# Allegro board Chronos.brd (continued)
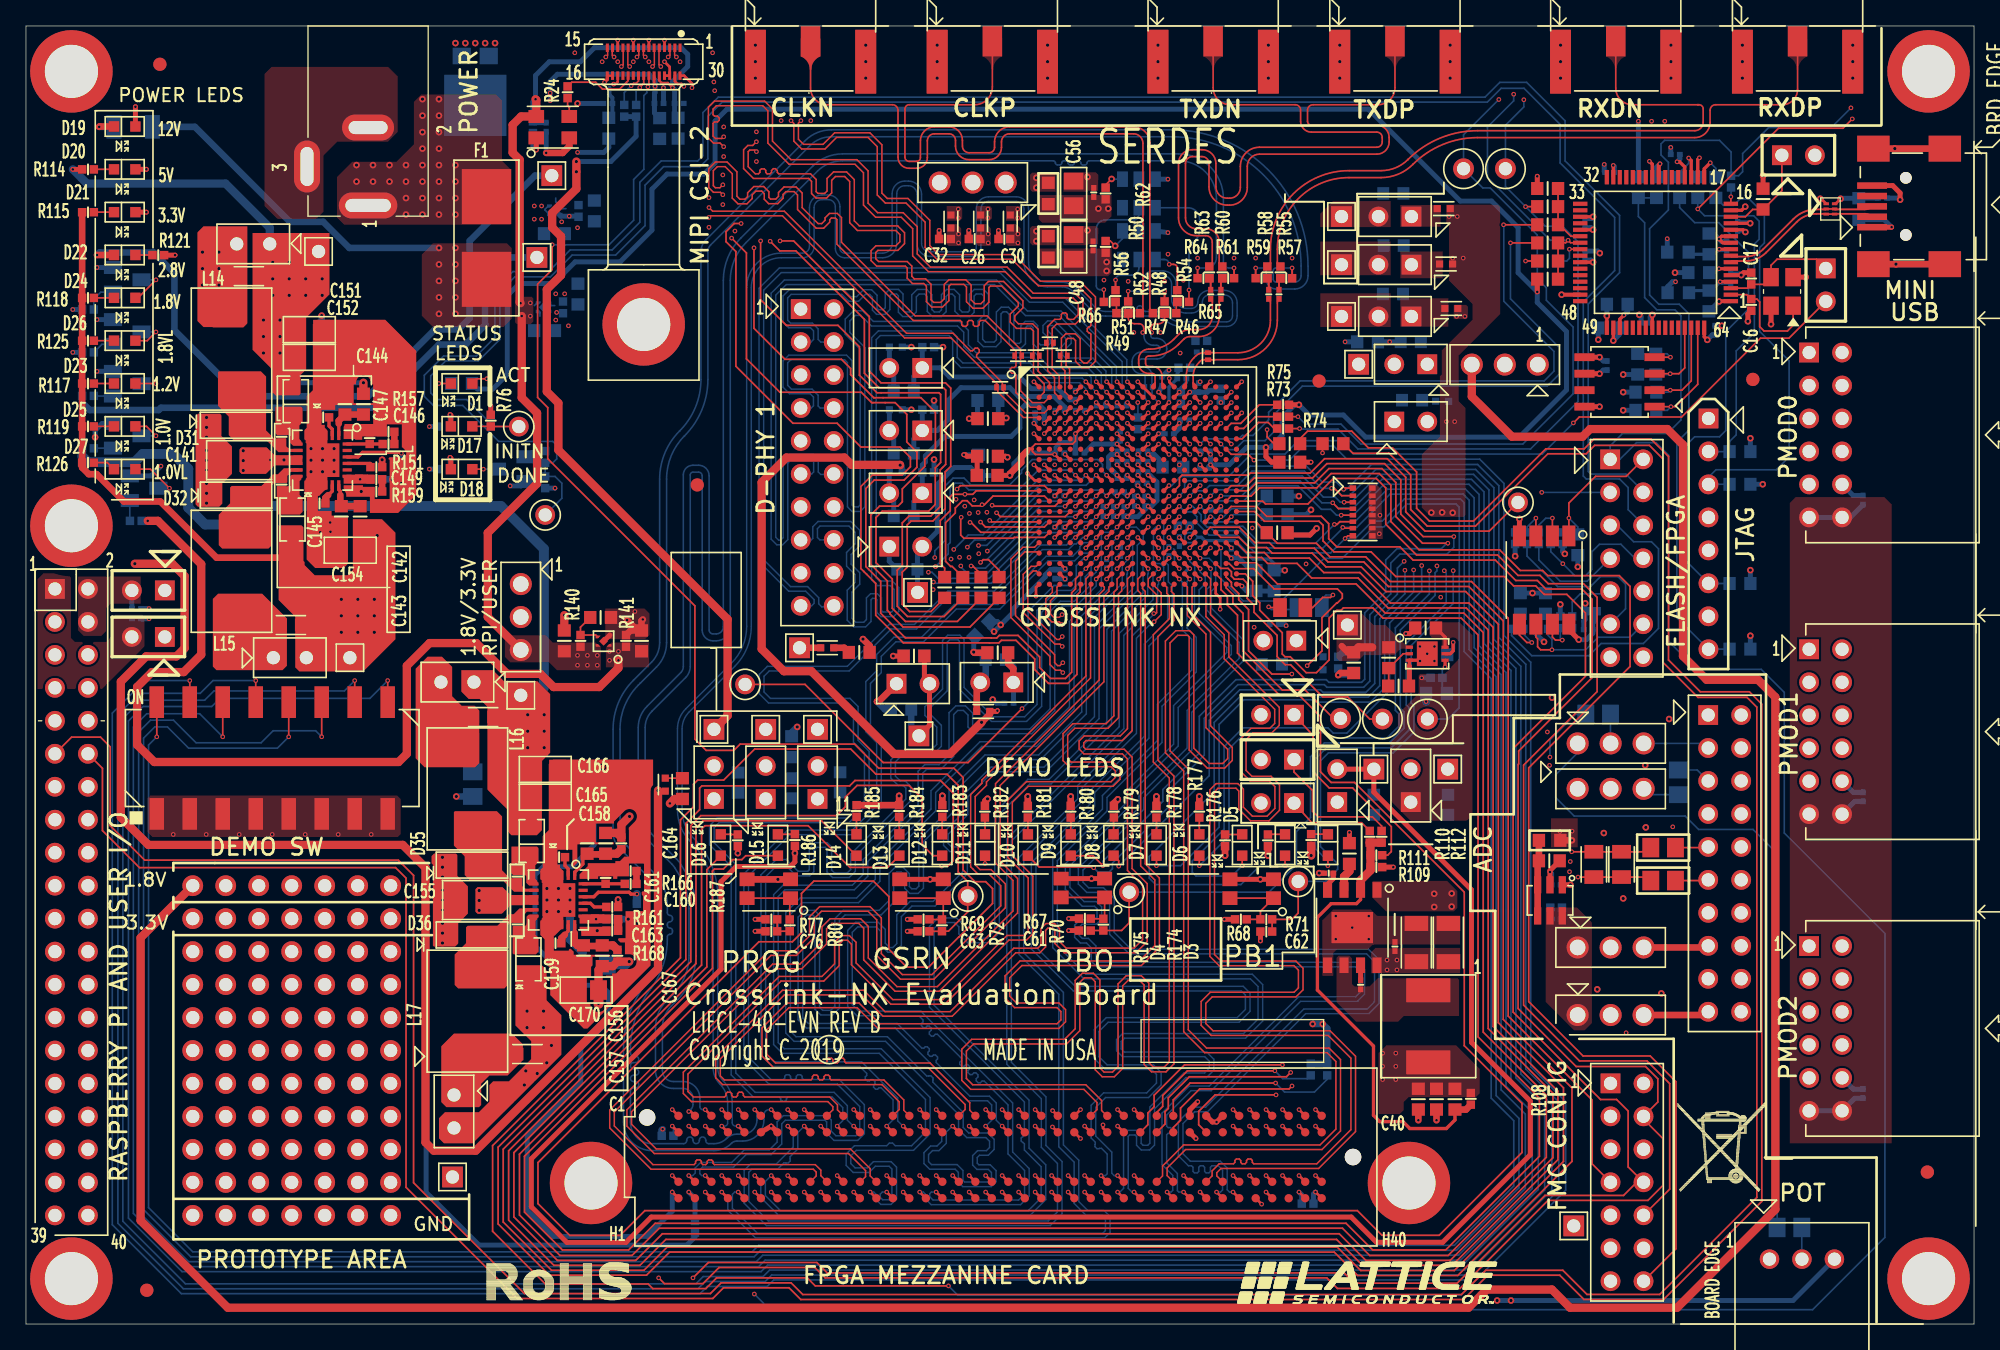
[diagram p0: board, top side]
## Routing (per net, layer and track width the routed paths; a pad name or vN(x,y) marks a point on that pad's centre or on a via; arc(x,y) is an arc through that point) (continued)
RXDP: length 0.9
  TOP w0.152: C50.1 96.48,80.31 arc(96.51,80.45) R55.1
RXDP_FMC: length 150.2
  TOP w0.152: R57.2 v1(97.49,81.36)
  TOP w0.203: U9.C6 v1(56.11,16.52)
  BOTTOM w0.122: v1(97.49,81.36) 96.24,81.36 arc(96.1,81.3) 96.04,81.15 96.04,80.49 arc(96.1,80.33) 96.26,80.27 97.7,80.27 arc(98.04,80.41) 98.18,80.75 98.18,81.5 arc(95.26,88.55) 88.22,91.47 62.01,91.47 arc(61.12,91.29) 60.37,90.79 52.72,83.14 arc(52.56,82.9) 52.51,82.62 52.51,72.77 arc(52.04,70.42) 50.71,68.42 arc(49.69,66.89) 49.33,65.09 49.33,52.49 arc(49.12,51.48) 48.55,50.61 47.3,49.37 47.15,49.21 arc(46.11,47.66) 45.74,45.82 45.74,37.89 arc(45.84,37.41) 46.11,37 46.27,36.84 48.33,34.78 arc(49.11,33.61) 49.39,32.23 49.39,31.68 arc(49.45,31.54) 49.59,31.48 arc(49.72,31.42) 49.78,31.29 49.78,31.19 arc(49.72,31.05) 49.59,30.99 arc(49.45,30.93) 49.39,30.79 49.39,30.7 arc(49.45,30.56) 49.59,30.5 arc(49.72,30.45) 49.78,30.31 49.78,30.22 arc(49.72,30.08) 49.58,30.02 49.57,30.02 arc(49.44,29.96) 49.39,29.84 49.39,29.65 arc(49.07,27.68) 48.16,25.89 48.03,25.72 arc(46.92,23.57) 46.54,21.19 46.54,20.87 arc(46.62,20.7) 46.79,20.63 46.94,20.63 arc(47.19,20.39) 46.94,20.14 46.79,20.14 arc(46.54,19.9) 46.79,19.65 46.94,19.65 arc(47.19,19.41) 46.94,19.17 46.79,19.17 arc(46.54,18.92) 46.79,18.68 46.94,18.68 arc(47.19,18.44) 46.94,18.19 46.79,18.19 arc(46.62,18.12) 46.54,17.95 46.54,15.56 arc(47.03,14.38) 48.22,13.89 50.63,13.89 arc(50.81,13.97) 50.88,14.14 50.88,14.17 arc(51.12,14.41) 51.36,14.17 51.36,14.14 arc(51.61,13.89) 51.85,14.14 51.85,14.17 arc(52.1,14.41) 52.34,14.17 52.34,14.14 arc(52.41,13.97) 52.58,13.89 52.97,13.89 arc(53.5,14) 53.95,14.3 arc(54.32,14.54) 54.75,14.63 55.2,14.63 arc(55.97,14.95) 56.29,15.72 56.29,16.1 arc(56.24,16.33) 56.12,16.52 v1(56.11,16.52)
RXDP_SMA: length 51.7
  TOP w0.122: R55.2 96.43,81.63 arc(96.37,81.71) 96.36,81.8 96.36,82.8 arc(97.97,86.7) 101.88,88.32 104.35,88.32 arc(105.67,88.58) 106.79,89.33 arc(109.08,90.86) 111.78,91.4 128.5,91.4 arc(129.33,91.75) 129.68,92.58 129.68,93.5 arc(129.8,93.81) 130.11,93.93 135.24,93.93 arc(136.07,94.28) 136.41,95.11 J11.1
RXDPF: length 11.6
  TOP w0.122: C50.2 arc(96.39,78.84) 96.36,78.67 96.36,77.33 arc(95.47,75.18) 93.31,74.29 91.53,74.29 91.53,74.28 R41.2 arc(90.86,74.29) 90.7,74.29 arc(90.55,74.26) 90.42,74.17 90.31,74.07 arc(89.99,73.58) 89.88,73.01 89.88,72.51 arc(89.91,72.34) U3.A16
SCL: length 171.7
  TOP w0.127: R74.1 v1(98.07,68.99) ; v1(56.06,82.91) 56.06,76.71 58.44,74.32 62.79,74.32 63.5,73.61 63.5,73.14 65.28,71.36 65.37,71.36 68.91,71.36 70.02,70.25 70.02,67.43 69.21,66.62 69.21,66.07 67.48,64.34 67.48,63.34 67.14,63 65.72,63 65.05,62.33 65.05,58.52 66.33,57.24 66.33,54.98 66.54,54.77 66.54,54.7 67.54,53.7 72.68,53.7 R39.2 ; R20.2 v1(115.47,86.08)
  L04_SIG w0.127: v1(56.06,82.91) 56.06,85.47 67.28,96.7 111.76,96.7 114.25,94.21 115.23,94.21 v1(115.34,94.32)
  BOTTOM w0.127: v1(98.07,68.99) 98.11,68.94 101.03,68.94 102.56,67.41 115.85,67.41 119.51,71.07 119.51,83.37 118.3,84.57 116.98,84.57 v1(115.47,86.08) 113.92,87.63 TP1.1 113.92,92.35 115.34,93.76 v1(115.34,94.32)
SDA: length 168.9
  TOP w0.127: R21.2 v1(115.47,81.89) ; R40.2 71.72,54.13 67.72,54.13 66.71,55.14 66.71,57.4 65.45,58.66 65.45,62.13 65.94,62.62 69.51,62.62 70.02,63.13 70.02,65.95 70.43,66.37 70.43,71.62 70.3,71.74 65.84,71.74 65.53,71.74 64.17,73.09 64.17,75.29 62.52,76.94 58.55,76.94 56.57,78.92 v1(56.57,83.44) ; R73.1 v1(97.94,69.9)
  L04_SIG w0.127: v1(113.41,94.34) 112.4,95.34 66.54,95.34 56.57,85.37 v1(56.57,83.44)
  BOTTOM w0.127: R21.2 116.37,83.89 112.75,87.52 112.18,87.52 TP2.1 110.69,91.62 v1(113.41,94.34) ; R21.2 116.37,80.53 117.07,79.83 117.07,78.87 119.13,76.81 119.13,71.66 115.26,67.79 102.79,67.79 101.25,69.33 98.52,69.33 v1(97.94,69.9) ; R21.2 v1(115.47,81.89)
SHORT_STUB_TRACE: length 44
  TOP w0.127: U3.U18 v1(92.01,59.79)
  TOP w0.203: U3.T18 v1(92.01,59.79)
  BOTTOM w0.127: v1(92.01,59.79) 92.01,57.41 93.72,55.7 96.67,55.7 99.96,58.99 101.36,58.99 103.78,61.42 104.57,61.42 106.32,63.17 110.11,63.17 110.36,62.92 110.36,47.48 109.5,46.61 TP3.1
SPI_MCLK: length 83.3
  TOP w0.127: v1(117.5,51.94) 116.63,51.94 116.4,52.18 116.4,52.79 116.27,52.92 U6.6
  L04_SIG w0.127: v1(85.61,70.99) 85.24,70.62 84.66,70.62 84.44,70.84 84.44,73.15 85.81,74.52 87.68,74.52 88.43,75.27 89.98,75.27 96.79,75.27 100.18,78.66 107.24,78.66 109.75,76.15 118.13,76.15 120.57,73.71 123.21,73.71 125.97,70.94 125.97,55.36 J20.12
  BOTTOM w0.127: C81.1 117.2,54.51 R86.1 117.2,53.06 117.5,52.76 v1(117.5,51.94) 120.09,51.94 121.06,52.91 123.52,52.91 J20.12 ; v1(85.61,70.99) 85.62,70.98 R78.1
SWITCH0: length 228.8
  TOP w0.127: v1(10.07,45.24) SW1.16 ; v1(101.57,60.52) 101.78,60.72 RN1.8
  TOP w0.203: U3.N14 v1(88.81,62.99)
  BOTTOM w0.127: v1(10.07,45.24) 9.44,44.6 9.44,8.97 12.84,5.56 55.91,5.56 56.41,6.06 109.99,6.06 114.56,10.64 114.56,15.67 112.82,17.41 112.82,49.72 110.74,51.79 110.74,63.27 110.46,63.55 106.13,63.55 104.42,61.85 103.68,61.85 102.35,60.52 v1(101.57,60.52) 100.46,59.4 94.65,59.4 93.27,60.78 91.1,60.78 90.16,61.72 90.16,62.2 89.79,62.57 89.24,62.57 v1(88.81,62.99)
SWITCH1: length 250.5
  TOP w0.127: RN1.1 101.61,64.4 101.6,64.39 101.54,64.39 v1(101.46,64.31) ; v1(12.61,49.57) SW1.15
  TOP w0.203: U3.M14 v1(88.81,63.79)
  BOTTOM w0.127: v1(88.81,63.79) 89.22,64.2 89.22,64.76 89.43,64.97 93.13,64.97 94.11,65.94 94.25,66.09 98.59,66.09 99.81,64.87 100.89,64.87 v1(101.46,64.31) 101.68,64.31 103.6,66.22 111.78,66.22 113.41,64.58 113.41,52.9 115.49,50.82 115.49,19.65 118.03,17.11 118.03,10.33 111.09,3.4 57.58,3.4 57.08,2.9 52.46,2.9 51.9,2.34 11.96,2.34 6.65,7.65 6.65,47.06 9.15,49.57 v1(12.61,49.57)
SWITCH2: length 241.1
  TOP w0.127: v1(15.15,45.24) SW1.14 ; RN1.5 v1(101.27,62.31)
  TOP w0.203: U3.M16 v1(90.41,63.79)
  BOTTOM w0.127: v1(15.15,45.24) 13.37,47.02 9.3,47.02 8.27,45.99 8.27,8.52 12.37,4.42 56.41,4.42 56.91,4.92 110.46,4.92 115.98,10.44 115.98,16.31 113.96,18.33 113.96,50.19 111.89,52.27 111.89,63.91 111.11,64.69 104.58,64.69 102.19,62.31 v1(101.27,62.31) 100.91,62.31 100.46,62.77 99.74,62.77 97.94,64.57 94.92,64.57 93.77,63.41 90.79,63.41 v1(90.41,63.79)
SWITCH3: length 253
  TOP w0.127: RN1.2 101.32,63.81 100.74,64.38 v1(100.53,64.38) ; SW1.13 v1(17.69,49.57)
  TOP w0.203: U3.M15 v1(89.61,63.79)
  BOTTOM w0.127: v1(17.69,49.57) 14.4,49.57 13.42,48.59 8.73,48.59 7.08,46.94 7.08,7.76 12.12,2.72 51.75,2.72 52.3,3.28 56.92,3.28 57.42,3.78 110.93,3.78 117.49,10.34 117.49,16.89 115.11,19.27 115.11,50.67 113.03,52.74 113.03,64.43 111.62,65.84 103.94,65.84 101.94,63.84 101.29,63.84 100.75,64.38 v1(100.53,64.38) 99.76,64.38 98.43,65.71 94.41,65.71 93.29,64.59 91.14,64.59 90.73,64.19 90,64.19 v1(89.61,63.79)
SWITCH4: length 242.2
  TOP w0.127: v1(20.23,45.24) SW1.12 ; RN1.7 101.46,61.31 v1(101.4,61.37)
  TOP w0.203: U3.N15 v1(89.61,62.99)
  BOTTOM w0.127: v1(20.23,45.24) 19.36,44.36 12.53,44.36 10.89,46 9.92,46 9.06,45.14 9.06,8.81 12.69,5.18 56.07,5.18 56.57,5.68 110.14,5.68 114.96,10.5 114.96,15.84 113.2,17.6 113.2,49.88 111.12,51.95 111.12,63.47 110.66,63.93 105.03,63.93 102.47,61.37 v1(101.4,61.37) 101.4,61.31 99.87,59.79 94.82,59.79 93.49,61.12 91.45,61.12 91.17,61.39 90.95,61.39 90.49,61.85 90.49,62.34 89.83,62.99 v1(89.61,62.99)
SWITCH5: length 247.6
  TOP w0.127: v1(100.75,61.6) 100.96,61.6 101.17,61.81 RN1.6 ; v1(22.77,45.24) SW1.11
  TOP w0.203: U3.N16 v1(90.41,62.99)
  BOTTOM w0.127: v1(22.77,45.24) 22.31,45.7 19.03,45.7 18.11,44.78 13.1,44.78 11.36,46.52 9.59,46.52 8.68,45.6 8.68,8.65 12.53,4.8 56.23,4.8 56.73,5.3 110.3,5.3 115.45,10.45 115.45,16.18 113.58,18.04 113.58,50.03 111.51,52.11 111.51,63.65 110.84,64.31 104.83,64.31 102.32,61.81 101.16,61.81 100.97,61.61 100.76,61.61 v1(100.75,61.6) 99.32,60.17 94.99,60.17 93.7,61.46 91.6,61.46 91.33,61.73 91.08,61.73 90.82,61.99 90.82,62.59 v1(90.41,62.99)
SWITCH6: length 255.2
  TOP w0.127: RN1.3 v1(101.5,63.31) ; v1(25.31,49.57) SW1.10
  TOP w0.203: U3.M17 v1(91.21,63.79)
  BOTTOM w0.127: v1(91.21,63.79) 91.68,64.26 93.54,64.26 94.6,65.33 98.27,65.33 99.9,63.7 100.81,63.7 101.2,63.31 v1(101.5,63.31) 102.05,63.31 104.19,65.46 111.46,65.46 112.65,64.27 112.65,52.58 114.72,50.51 114.72,18.97 116.94,16.75 116.94,10.32 110.78,4.16 57.26,4.16 56.76,3.66 52.15,3.66 51.59,3.1 12.28,3.1 7.46,7.92 7.46,46.64 8.88,48.06 13.75,48.06 14.47,48.77 24.51,48.77 v1(25.31,49.57)
SWITCH7: length 254.8
  TOP w0.127: RN1.4 101.07,62.81 v1(100.62,63.26) ; v1(27.85,49.57) SW1.9
  TOP w0.203: U3.M18 v1(92.01,63.79)
  BOTTOM w0.127: v1(92.01,63.79) 93.61,63.79 94.76,64.95 98.1,64.95 99.78,63.26 v1(100.62,63.26) 101.02,62.87 102.21,62.87 104.42,65.07 111.3,65.07 112.27,64.11 112.27,52.43 114.34,50.35 114.34,18.66 116.45,16.55 116.45,10.37 110.62,4.54 57.1,4.54 56.6,4.04 12.01,4.04 7.89,8.16 7.89,46.46 9.01,47.57 14.31,47.57 14.93,48.2 26.48,48.2 v1(27.85,49.57)
TCK: length 250.9
  TOP w0.127: R35.1 70.7,54.51 67.88,54.51 67.09,55.3 67.09,58.08 67.48,58.46 67.48,61.72 68,62.24 69.67,62.24 70.4,62.97 70.4,65.8 70.63,66.03 70.82,66.22 70.82,71.95 70.64,72.12 65.68,72.12 64.56,73.25 64.56,77.4 59.28,82.67 58.04,82.67 v1(57.3,83.41)
  TOP w0.203: U3.G18 v1(92.01,66.99)
  L04_SIG w0.127: v1(92.01,66.99) 92.95,66.99 93.5,67.54 94.77,67.54 95.27,67.04 96.21,67.04 96.78,66.47 98.18,66.47 98.67,65.98 108.1,65.98 113.16,60.91 113.16,59.01 114.82,57.36 114.82,55.78 116.38,54.21 116.38,52.21 117.28,51.31 119,51.31 121.12,49.19 126.76,49.19 J1.8 ; v1(57.3,83.41) 57.3,85.56 66.7,94.96 110.45,94.96 111.82,93.59 140.42,93.59 v1(140.52,93.69)
  BOTTOM w0.127: v1(140.52,93.69) 139.01,92.18 134.19,92.18 132.18,90.17 132.18,88.77 131.87,88.46 R5.2 131.29,90.3 130.4,91.19 126.17,91.19 125.9,90.91 125.9,90.06 126.47,89.49 126.47,85.83 125.02,84.38 125.02,79.27 125.73,78.56 127.3,78.56 128.04,77.83 128.04,68.86 127.12,67.94 127.12,54.42 J1.8 129.56,51.99 R4.1
TDI: length 97.9
  TOP w0.127: v1(99.83,67.11) R38.1 ; U3.F17 v1(91.21,67.79)
  L04_SIG w0.127: v1(91.21,67.79) 91.64,68.22 92.94,68.22 93.14,68.43 95.98,68.43 97.15,67.26 99.68,67.26 v1(99.83,67.11) 100.11,66.83 108.62,66.83 115.39,60.06 115.39,58.62 117.17,56.84 117.17,55.4 119.07,53.5 119.07,52.33 121.41,49.98 126.24,49.98 127.84,51.58 127.84,54.66 128.98,55.8 130.33,55.8 130.71,56.18 130.71,63.52 J1.3
  BOTTOM w0.127: R2.2 129.56,64.69 J1.3 129.55,65.24 130.12,65.81 134.77,65.81 135.76,66.8 135.76,74.2 133.49,76.47 133.49,82.93 133.86,83.29 133.86,85.5 132.69,86.66 131.97,86.66 131.49,86.18 130.7,86.18 R6.2
TDO: length 239.4
  TOP w0.127: v1(58.06,83.44) 59.11,83.44 64.94,77.61 64.94,73.41 65.84,72.51 70.8,72.51 71.21,72.1 71.21,66.07 70.9,65.77 70.78,65.64 70.78,62.81 69.83,61.86 68.15,61.86 67.86,61.56 67.86,58.31 67.47,57.92 67.47,55.45 68.03,54.89 69.68,54.89 R36.1 ; v1(140.63,92.84) 139.91,92.12 134.95,92.12 v1(128.73,85.9)
  TOP w0.203: U3.F19 v1(92.81,67.79)
  L04_SIG w0.127: v1(92.81,67.79) 93.2,67.79 93.46,68.05 95.74,68.05 96.93,66.85 99.32,66.85 99.75,66.42 108.33,66.42 113.54,61.21 113.54,59.25 115.24,57.56 115.24,56.02 117.82,53.44 117.82,52.57 118.49,51.9 118.95,51.9 121.25,49.6 121.49,49.6 121.5,49.59 126.52,49.59 128.39,51.47 128.39,52.6 129.01,53.21 130.19,53.21 131.42,54.44 131.42,65.35 J1.2 ; v1(58.06,83.44) 58.06,85.73 66.9,94.57 110.15,94.57 111.52,93.2 140.26,93.2 v1(140.63,92.84)
  BOTTOM w0.127: R7.2 v1(128.73,85.9) 129.25,85.38 133.04,85.38 133.45,84.96 133.45,83.57 133.09,83.2 133.09,76.37 131.69,74.97 131.69,68.5 131.18,67.99 R3.2 129.56,67.21 J1.2
TMS: length 96.1
  TOP w0.127: R37.1 96.09,67.82 95.57,68.34 v1(95.57,68.9)
  TOP w0.203: U3.F15 v1(89.61,67.79)
  L04_SIG w0.127: J1.6 127.46,54.97 127.46,51.78 126.04,50.36 121.57,50.36 120.19,51.74 120.19,54.39 115.77,58.81 115.77,60.26 108.83,67.21 100.48,67.21 100,67.69 97.33,67.69 96.14,68.88 95.58,68.88 v1(95.57,68.9) 95.55,68.88 92.97,68.88 92.66,68.57 90.39,68.57 v1(89.61,67.79)
  BOTTOM w0.127: R1.2 129.56,57.05 J1.6 127.52,59.09 127.52,67.39 128.49,68.35 130.4,68.35 130.88,68.83 130.88,76.45 132.63,78.19 132.63,82.56 130.34,84.85 128.49,84.85 127.33,86.01 R8.2
TXD_UART: length 45.9
  TOP w0.127: R15.2 v1(113.78,84.68)
  TOP w0.203: U3.F16 v1(90.41,67.79)
  BOTTOM w0.127: v1(90.41,67.79) 90.81,68.19 93.39,68.19 93.66,68.46 94.48,68.46 95.68,69.66 95.68,70.24 98.1,72.66 116.9,72.66 117.65,73.41 117.65,74.93 113.79,78.79 113.79,84.67 v1(113.78,84.68)
TXDN: length 0.9
  TOP w0.152: C55.1 91.22,80.31 arc(91.2,80.45) R64.1
TXDN_FMC: length 150.2
  TOP w0.152: R64.2 v1(90.21,81.36)
  TOP w0.203: U9.C3 v1(52.3,16.52)
  BOTTOM w0.122: v1(90.21,81.36) 90.86,81.36 arc(91.43,81.59) 91.67,82.16 91.67,86.7 arc(90.82,88.76) 88.76,89.61 81.86,89.61 arc(81.75,89.56) 81.7,89.45 arc(81.66,89.34) 81.55,89.3 81.38,89.3 arc(81.26,89.34) 81.22,89.45 arc(81.17,89.56) 81.06,89.61 80.89,89.61 arc(80.78,89.56) 80.73,89.45 arc(80.68,89.34) 80.57,89.3 80.4,89.3 arc(80.29,89.34) 80.24,89.45 arc(80.2,89.56) 80.08,89.61 79.91,89.61 arc(79.8,89.56) 79.75,89.45 arc(79.71,89.34) 79.6,89.3 79.42,89.3 arc(79.31,89.34) 79.27,89.45 arc(79.22,89.56) 79.11,89.61 62.87,89.61 arc(61.83,89.4) 60.95,88.81 55.44,83.31 arc(54.54,81.97) 54.23,80.39 54.23,53.71 arc(53.91,52.95) 53.15,52.63 52.9,52.63 arc(52.31,52.88) 52.07,53.47 52.07,65.35 arc(51.99,65.54) 51.79,65.63 51.36,65.63 arc(51.21,65.56) 51.15,65.42 51.15,50.65 arc(51.06,50.2) 50.8,49.81 48.2,47.21 arc(47.81,46.63) 47.68,45.95 47.68,39.14 arc(47.84,38.31) 48.31,37.61 50.12,35.8 arc(50.29,35.61) 50.43,35.4 50.83,34.74 arc(51.39,33.44) 51.58,32.03 51.58,28.37 arc(51.22,26.55) 50.19,25 49.7,24.51 arc(49.19,23.75) 49.01,22.84 49.01,19.52 arc(49.25,18.93) 49.84,18.68 50.59,18.68 arc(51.51,18.3) 51.89,17.38 51.89,16.74 arc(51.96,16.58) 52.11,16.52 v1(52.3,16.52)
TXDN_SMA: length 51.7
  TOP w0.122: R63.2 91.29,81.64 arc(91.33,81.7) 91.34,81.78 91.34,83.35 arc(91.2,83.7) 90.85,83.85 90.12,83.85 arc(89.15,84.25) 88.75,85.22 88.75,89.41 arc(89.06,90.16) 89.81,90.47 90.56,90.47 arc(91.31,90.16) 91.63,89.4 91.63,87.61 arc(91.88,86.99) 92.5,86.73 92.67,86.73 arc(93.26,86.97) 93.51,87.56 93.51,89.19 arc(93.94,90.23) 94.97,90.66 104.02,90.66 arc(104.31,90.78) 104.43,91.07 104.43,91.41 arc(104.31,91.7) 104.02,91.82 98.98,91.82 arc(98.39,92.07) 98.15,92.66 98.15,93.52 arc(98.02,93.81) 97.73,93.93 92.73,93.93 arc(91.8,94.32) 91.41,95.25 J16.1
TXDNF: length 11.6
  TOP w0.122: C55.2 91.27,78.93 arc(91.33,78.84) 91.35,78.73 91.35,77.65 arc(91.05,76.91) 90.31,76.61 89.63,76.61 arc(89.17,76.51) 88.78,76.25 88.37,75.84 arc(87.55,75.3) 86.59,75.11 86.45,75.11 arc(85.9,74.88) 85.67,74.33 85.67,74.02 arc(85.9,73.46) 86.46,73.23 86.74,73.23 arc(86.88,73.17) 86.94,73.03 86.94,72.51 arc(86.91,72.34) U3.A12
TXDP: length 0.9
  TOP w0.152: C54.1 92.01,80.31 arc(92.04,80.45) R61.1
TXDP_FMC: length 150.2
  TOP w0.152: R61.2 v1(93.02,81.36)
  TOP w0.203: v1(51.03,16.37) 51.18,16.37 U9.C2
  BOTTOM w0.122: v1(51.03,16.37) 51.21,16.54 arc(51.32,16.71) 51.36,16.91 51.36,17.38 arc(51.14,17.92) 50.59,18.15 49.84,18.15 arc(48.87,18.55) 48.47,19.52 48.47,22.84 arc(48.69,23.95) 49.32,24.89 49.81,25.38 arc(50.73,26.75) 51.05,28.37 51.05,32.03 arc(50.88,33.3) 50.37,34.47 49.98,35.12 arc(49.87,35.28) 49.75,35.42 47.94,37.23 arc(47.35,38.1) 47.14,39.14 47.14,45.95 arc(47.32,46.83) 47.82,47.58 50.42,50.19 arc(50.57,50.4) 50.62,50.65 50.62,65.42 arc(50.83,65.94) 51.36,66.16 51.79,66.16 arc(52.37,65.92) 52.6,65.35 52.6,53.47 arc(52.69,53.25) 52.9,53.17 53.15,53.17 arc(53.54,53.33) 53.7,53.71 53.7,80.39 arc(54.05,82.17) 55.06,83.68 60.57,89.19 arc(61.62,89.9) 62.87,90.14 88.76,90.14 arc(91.19,89.14) 92.2,86.7 92.2,81.79 arc(92.33,81.48) 92.64,81.36 v1(93.02,81.36)
TXDP_SMA: length 51.7
  TOP w0.122: J12.1 105.41,95.25 arc(105.03,94.32) 104.1,93.93 99.11,93.93 arc(98.8,93.81) 98.68,93.5 98.68,92.66 arc(98.77,92.44) 98.98,92.35 104.02,92.35 arc(104.69,92.08) 104.96,91.41 104.96,91.07 arc(104.69,90.4) 104.02,90.12 94.97,90.12 arc(94.31,89.85) 94.04,89.19 94.04,87.56 arc(93.64,86.6) 92.67,86.2 92.5,86.2 arc(91.5,86.61) 91.09,87.61 91.09,89.4 arc(90.93,89.78) 90.56,89.94 89.81,89.94 arc(89.43,89.78) 89.28,89.41 89.28,85.22 arc(89.53,84.62) 90.12,84.38 90.85,84.38 arc(91.57,84.08) 91.88,83.35 91.88,81.76 arc(91.89,81.72) 91.91,81.68 R60.2
TXDPF: length 11.6
  TOP w0.122: C54.2 91.96,78.92 arc(91.9,78.84) 91.88,78.74 91.88,77.65 arc(91.42,76.53) 90.31,76.07 89.63,76.07 arc(89.37,76.02) 89.15,75.88 88.74,75.47 arc(87.75,74.81) 86.59,74.57 86.45,74.57 arc(86.28,74.5) 86.21,74.33 86.21,74.02 arc(86.28,73.84) 86.46,73.76 86.74,73.76 arc(87.26,73.55) 87.48,73.03 87.48,72.51 arc(87.51,72.34) U3.A13
UART_ACT: length 116.4
  TOP w0.127: R18.1 R21.1 R17.1 117.98,83.3 118.56,83.3 v1(118.75,83.49) 118.93,83.3 U1.39 ; D1.1 34.73,72.82 v1(35.48,72.82)
  L04_SIG w0.127: v1(35.48,72.82) 37.11,72.82 40.31,76.02 40.31,78.05 40.79,78.53 42.09,78.53 42.58,79.02 42.58,80.08 45.47,82.97 54.58,82.97 55.61,83.99 55.61,85.68 67.69,97.76 70.91,97.76 71.56,97.11 77.37,97.11 78.02,97.76 87.91,97.76 88.49,97.19 94.45,97.19 95.02,97.76 102.03,97.76 102.71,97.09 108.29,97.09 108.96,97.76 111.53,97.76 v1(114.55,94.74)
  BOTTOM w0.127: v1(118.75,83.49) 117.37,83.49 112.53,88.33 112.53,92.21 114.55,94.23 v1(114.55,94.74)
VADJ: length 2.3
  TOP w0.203: U9.G39 v1(98.02,11.44) ; U9.H40 v1(99.29,10.17)
  BOTTOM w0.381: R171.2 99.14,10.01 v1(99.29,10.17)
  vias: v1(104.46,20.87) v1(104.46,19.85) v1(104.46,18.84) v1(105.47,20.87) v1(105.47,19.85) v1(105.47,18.84)
VREF1_CON: length 5.1
  TOP w0.508: J26.19 129.28,23.81 J21.3
VREF2_CON: length 70
  TOP w0.203: U9.H37 v1(95.48,10.17)
  TOP w0.508: J26.15 129.4,29.01 J22.3
  L04_SIG w0.127: v1(95.48,10.17) 95.95,9.7 95.95,6.46 97.19,5.22 117.89,5.22 121.21,1.9 125.53,1.9 128.52,4.89 128.52,27.07 129.53,28.08 J26.15
N02138: length 3.9
  TOP w0.127: U2.4 v1(126.63,74.48)
  BOTTOM w0.127: v1(126.63,74.48) 126.36,74.75 R16.2 R12.2
N16616563:
  vias: v2(82.58,85.93) v2(83.34,85.93)
N16616747: length 19
  TOP w0.127: v2(83.59,88.21) 83.13,87.76 R62.1
  L04_SIG w0.127: v2(83.59,88.21) 83.7,88.33 83.7,88.84 83.42,89.12 83.11,89.12 82.72,88.73 82.36,88.73 81.97,89.12 81.09,89.12 80.87,88.9 80.87,88.14 80.72,87.98 80.18,87.98 80,88.17 80,88.89 79.79,89.1 79.4,89.1 79.17,88.87 79.17,88.16 78.99,87.98 78.6,87.98 78.39,88.19 78.39,88.93 78.2,89.12 74.38,89.12 74.06,88.81 74.06,87.66 74.31,87.41 74.92,87.41 J13.1
  BOTTOM w0.127: U5.1 83.61,88.2 v2(83.59,88.21)
N16632070: length 4.9
  TOP w0.127: U1.38 118.96,83.8 118.08,84.68 R15.1 R20.1 R19.1
N16632104: length 2.5
  TOP w0.127: v1(118.85,82.8) 118.87,82.8 118.88,82.8 U1.40
  BOTTOM w0.127: v1(118.85,82.8) 118.85,82.1 118.64,81.89 R22.1
N16986163: length 3.7
  TOP w0.127: U6.3 v1(116.27,62.09)
  BOTTOM w0.127: v1(116.27,62.09) 115.58,61.4 R91.1 R85.1
N16986165: length 3.8
  TOP w0.127: v1(118.3,52.69) 117.77,52.69 117.54,52.92 U6.7
  BOTTOM w0.127: R90.2 R87.1 118.14,52.84 v1(118.3,52.69)
N16986190: length 4.6
  TOP w0.127: U6.5 115,53.08 115.57,52.5 v1(115.95,52.5)
  BOTTOM w0.127: v1(115.95,52.5) 115.29,53.16 R92.2 115.29,54.49 C80.1
N16986210: length 3.2
  TOP w0.127: U6.2 v1(117.54,62.09)
  BOTTOM w0.127: v1(117.54,62.09) 117.53,62.08 117.02,62.08 116.49,61.55 R89.2
N16986259: length 5
  TOP w0.127: SW5.3 SW5.1 58.81,32.75 R80.1
N16986267: length 1.9
  TOP w0.127: R77.2 57.84,30.26 C76.1 R80.2
N16986368: length 2.3
  TOP w0.203: U3.E12 v1(87.21,69.39)
  BOTTOM w0.127: v1(87.21,69.39) 86.81,68.99 85.68,68.99 R78.2
N16986967: length 1.9
  TOP w0.127: D18.1 v1(35.22,65.86)
  BOTTOM w0.127: Q1.3 36.26,65.86 v1(35.22,65.86)
N16986992: length 1.8
  TOP w0.381: D18.2 32.72,66.7 v1(32.66,66.76)
  BOTTOM w0.381: R81.1 v1(32.66,66.76)
N17051987: length 18.3
  TOP w0.203: U3.D2 v1(78.41,69.39)
  BOTTOM w0.381: v1(78.41,69.39) 78.4,69.4 C27.1 78.4,70.43 78.02,70.81 76.94,70.81 76.53,70.4 76.53,69.04 75.86,68.38 70.75,68.38 69.25,66.88 69.25,66.41 69.02,66.18 C28.1 69.02,64.02 J3.1 68.36,63.36 R32.1
N17052185: length 17
  TOP w0.203: U3.B5 v1(80.81,70.99)
  BOTTOM w0.381: 69.02,73.67 J4.1 68.36,73.01 R33.1 ; 69.02,73.67 70.42,73.67 71.12,72.96 76.51,72.96 77.41,72.06 79.45,72.06 80.31,71.2 C33.1 ; 69.02,73.67 C34.1
N17052239: length 18.5
  TOP w0.203: U3.C4 v1(80.01,70.19)
  BOTTOM w0.381: R34.1 68.36,68.19 J5.1 69.02,68.84 ; 69.02,68.84 C36.1 ; 69.02,68.84 70.16,68.84 71.04,69.71 71.04,71.18 71.99,72.13 75.76,72.13 76.44,71.45 79.17,71.45 80.01,70.61 v1(80.01,70.19)
N17055174: length 4.7
  TOP w0.127: R75.1 94.97,70.82 93.54,69.38 92.8,69.38 U3.E19
N17055619: length 6
  TOP w0.127: R67.2 82,31.22 R70.2 83.06,31.32 SW2.1 SW2.3
N17055696: length 6.5
  TOP w0.127: SW3.3 SW3.1 95.05,31.8 R71.2 R68.2
N17070375: length 3.5
  TOP w0.203: U3.C13 v1(88.01,70.99)
  BOTTOM w0.254: C43.2 88.74,73.34 88.65,73.25 C44.2 88.01,72.19 v1(88.01,70.99)
N17075797:
  vias: v2(25.45,89.28) v2(25.45,88.01) v2(26.72,89.28) v2(26.72,88.01) v2(27.99,89.28) v2(27.99,88.01) v2(29.26,89.28) v2(29.26,88.01) v2(29.26,86.74) v2(29.26,85.47) v2(30.53,94.36) v2(30.53,93.09) v2(30.53,91.82) v2(30.53,90.55) v2(30.53,89.28) v2(30.53,88.01) v2(30.53,86.74) v2(30.53,85.47) v2(31.8,94.36) v2(31.8,93.09) v2(31.8,91.82) v2(31.8,90.55) v2(31.8,89.28) v2(31.8,88.01) v2(31.8,86.74) v2(31.8,85.47) v2(33.07,89.28) v2(33.07,88.01) v2(33.07,86.74) v2(33.07,85.47)
N17075854:
  vias: v2(13.59,82.58) v2(13.59,81.31) v2(13.59,80.04) v2(14.86,82.58) v2(14.86,81.31) v2(14.86,80.04)
N17075864: length 0.9
  TOP w0.508: R159.1 C149.2
N17075866: length 2.7
  TOP w0.254: U15.19 26.3,65.3 C149.1
  BOTTOM w0.508: C149.1 v1(25.73,65.07)
N17075880: length 3.2
  TOP w0.254: U15.18 24.08,64.28 24.21,64.15 24.21,63.86
  TOP w0.508: R155.2 R160.1 24.21,63.08 24.21,63.86
N17075942: length 1.5
  TOP w0.254: U15.11 20.36,65.8 C143.2
N17076139: length 5.2
  TOP w0.254: v1(28.91,67.08) 28.84,67.15 25.91,67.15 25.56,66.8 U15.22
  BOTTOM w0.254: R158.1 v1(28.91,67.08)
N17076187: length 1.7
  TOP w0.254: 23.26,63.85 23.27,63.85 23.58,64.16 U15.17
  TOP w0.508: C145.1 23.06,63.64 23.26,63.85
N17076206: length 3.2
  TOP w0.254: 24.08,69.37 U15.1
  TOP w0.508: 24.08,69.37 24.08,69.59 R156.1 R154.2
N17076267: length 2.7
  TOP w0.254: U15.24 26.46,67.8 C147.1 27.46,67.8 C146.1
N17076279: length 0.9
  TOP w0.508: R157.1 C146.2
N17076342: length 1.5
  TOP w0.254: C144.2 23.34,69.19 23.58,68.94 U15.2
N17078984: length 1.5
  TOP w0.254: C157.2 38.53,31.91 U16.11
N17078989: length 4.9
  TOP w0.254: U16.1 42.25,34.81 42.88,35.43 42.88,35.86 43.21,36.18
  TOP w0.508: R169.1 43.21,36.18 44.15,36.18 R164.2
  TOP w0.635: R164.2 45.5,36.23 C164.2
N17079013: length 5
  TOP w0.254: 42.25,30.12 U16.18
  TOP w0.508: R165.2 43.9,29.12 42.93,29.12 ; R170.1 42.93,29.12 ; 42.93,29.12 42.45,29.12 42.25,29.32 42.25,30.12
  TOP w0.635: R165.2 45.19,29.17 C167.1
N17079060: length 3.2
  TOP w0.254: C160.1 46.1,33.92 C161.1 44.63,33.91 U16.24
N17079075: length 1
  TOP w0.508: C160.2 R166.1
N17079092: length 0.9
  TOP w0.635: R168.1 C163.2
N17079126: length 2.7
  TOP w0.254: U16.19 44.47,31.41 C163.1
  BOTTOM w0.508: C163.1 v1(43.9,31.19)
N17079253: length 1.5
  TOP w0.254: U16.2 41.75,35.07 41.5,35.32 C158.2
N17079439: length 5.1
  TOP w0.254: v1(47.04,33.12) 46.58,33.12 46.44,33.27 44.08,33.27 43.73,32.91 U16.22
  BOTTOM w0.635: R167.1 v1(47.04,33.12)
N17079459: length 1.6
  TOP w0.254: U16.17 41.75,30.28 41.5,30.03 41.5,29.99
  TOP w0.508: C159.1 41.22,29.71 41.5,29.99
N17094496: length 2.3
  TOP w0.381: X2.1 v1(39.29,90.45)
  BOTTOM w0.381: R23.1 39.04,90.7 v1(39.29,90.45)
N17094502: length 1.5
  TOP w0.127: X2.3 41.83,93.74 41.71,93.87 R24.1
N17096100: length 4.3
  TOP w0.508: FB6.1 73.21,49.16 J38.2
  BOTTOM w0.508: J38.2 73.9,49.85 R138.2
N17104181: length 35
  TOP w0.508: J31.1 65.66,47.96 v2(65.53,47.96)
  L04_SIG w0.508: v2(65.53,47.96) 64.74,48.74 58.4,48.74 56.59,50.55 47.75,50.55 47.19,49.99 40.89,49.99 40.39,50.5 40.39,52.18 J33.2
  BOTTOM w0.508: R130.1 66.14,47.35 v2(65.53,47.96)
N17109649: length 0.8
  TOP w0.203: U3.C7 v1(82.41,70.99)
  BOTTOM w0.254: C25.1 82.45,70.95 v1(82.41,70.99)
  vias: v1(74.09,83.97) v1(74.09,83.29)
N17109693: length 0.8
  TOP w0.203: U3.C9 v1(84.01,70.99)
  BOTTOM w0.254: v1(84.01,70.99) 84.05,70.95 C29.1
  vias: v1(76.38,83.97) v1(76.38,83.29)
N17109747: length 0.8
  TOP w0.203: U3.C5 v1(80.81,70.19)
  BOTTOM w0.254: v1(80.81,70.19) 80.83,70.21 C31.1
  vias: v1(71.81,83.97) v1(71.81,83.29)
N17168384: length 71.1
  TOP w0.203: U3.N13 v1(88.01,62.99)
  L04_SIG w0.127: J21.2 122.02,24 125.82,27.8 125.82,39.68 126.36,40.22 126.36,45.37 125.19,46.53 116.16,46.53 112.17,50.52 112.17,52.3 109.5,54.97 105.56,54.97 103.01,57.51 96.52,57.51 95.9,58.14 95.9,58.92 94.21,60.6 93.87,60.6 93.02,61.45 91.22,61.45 90.8,61.87 90.29,61.87 89.58,62.59 88.41,62.59 v1(88.01,62.99)
N17168405: length 58.5
  TOP w0.203: U3.P14 v1(88.81,62.19)
  L04_SIG w0.127: v1(88.81,62.19) 88.82,62.2 89.39,62.2 90.11,61.48 90.62,61.48 91.08,61.01 92.81,61.01 94.66,59.16 94.66,58.43 96.23,56.87 102.73,56.87 105.27,54.33 109.05,54.33 111.29,52.1 111.29,50.31 117.13,44.47 117.53,44.47 118.91,43.09 122.26,43.09 123.32,42.03 123.32,34.65 122.02,33.35 J22.2
